# Altium PCB RevA3.PcbDoc (part 3 of 5) (continued)
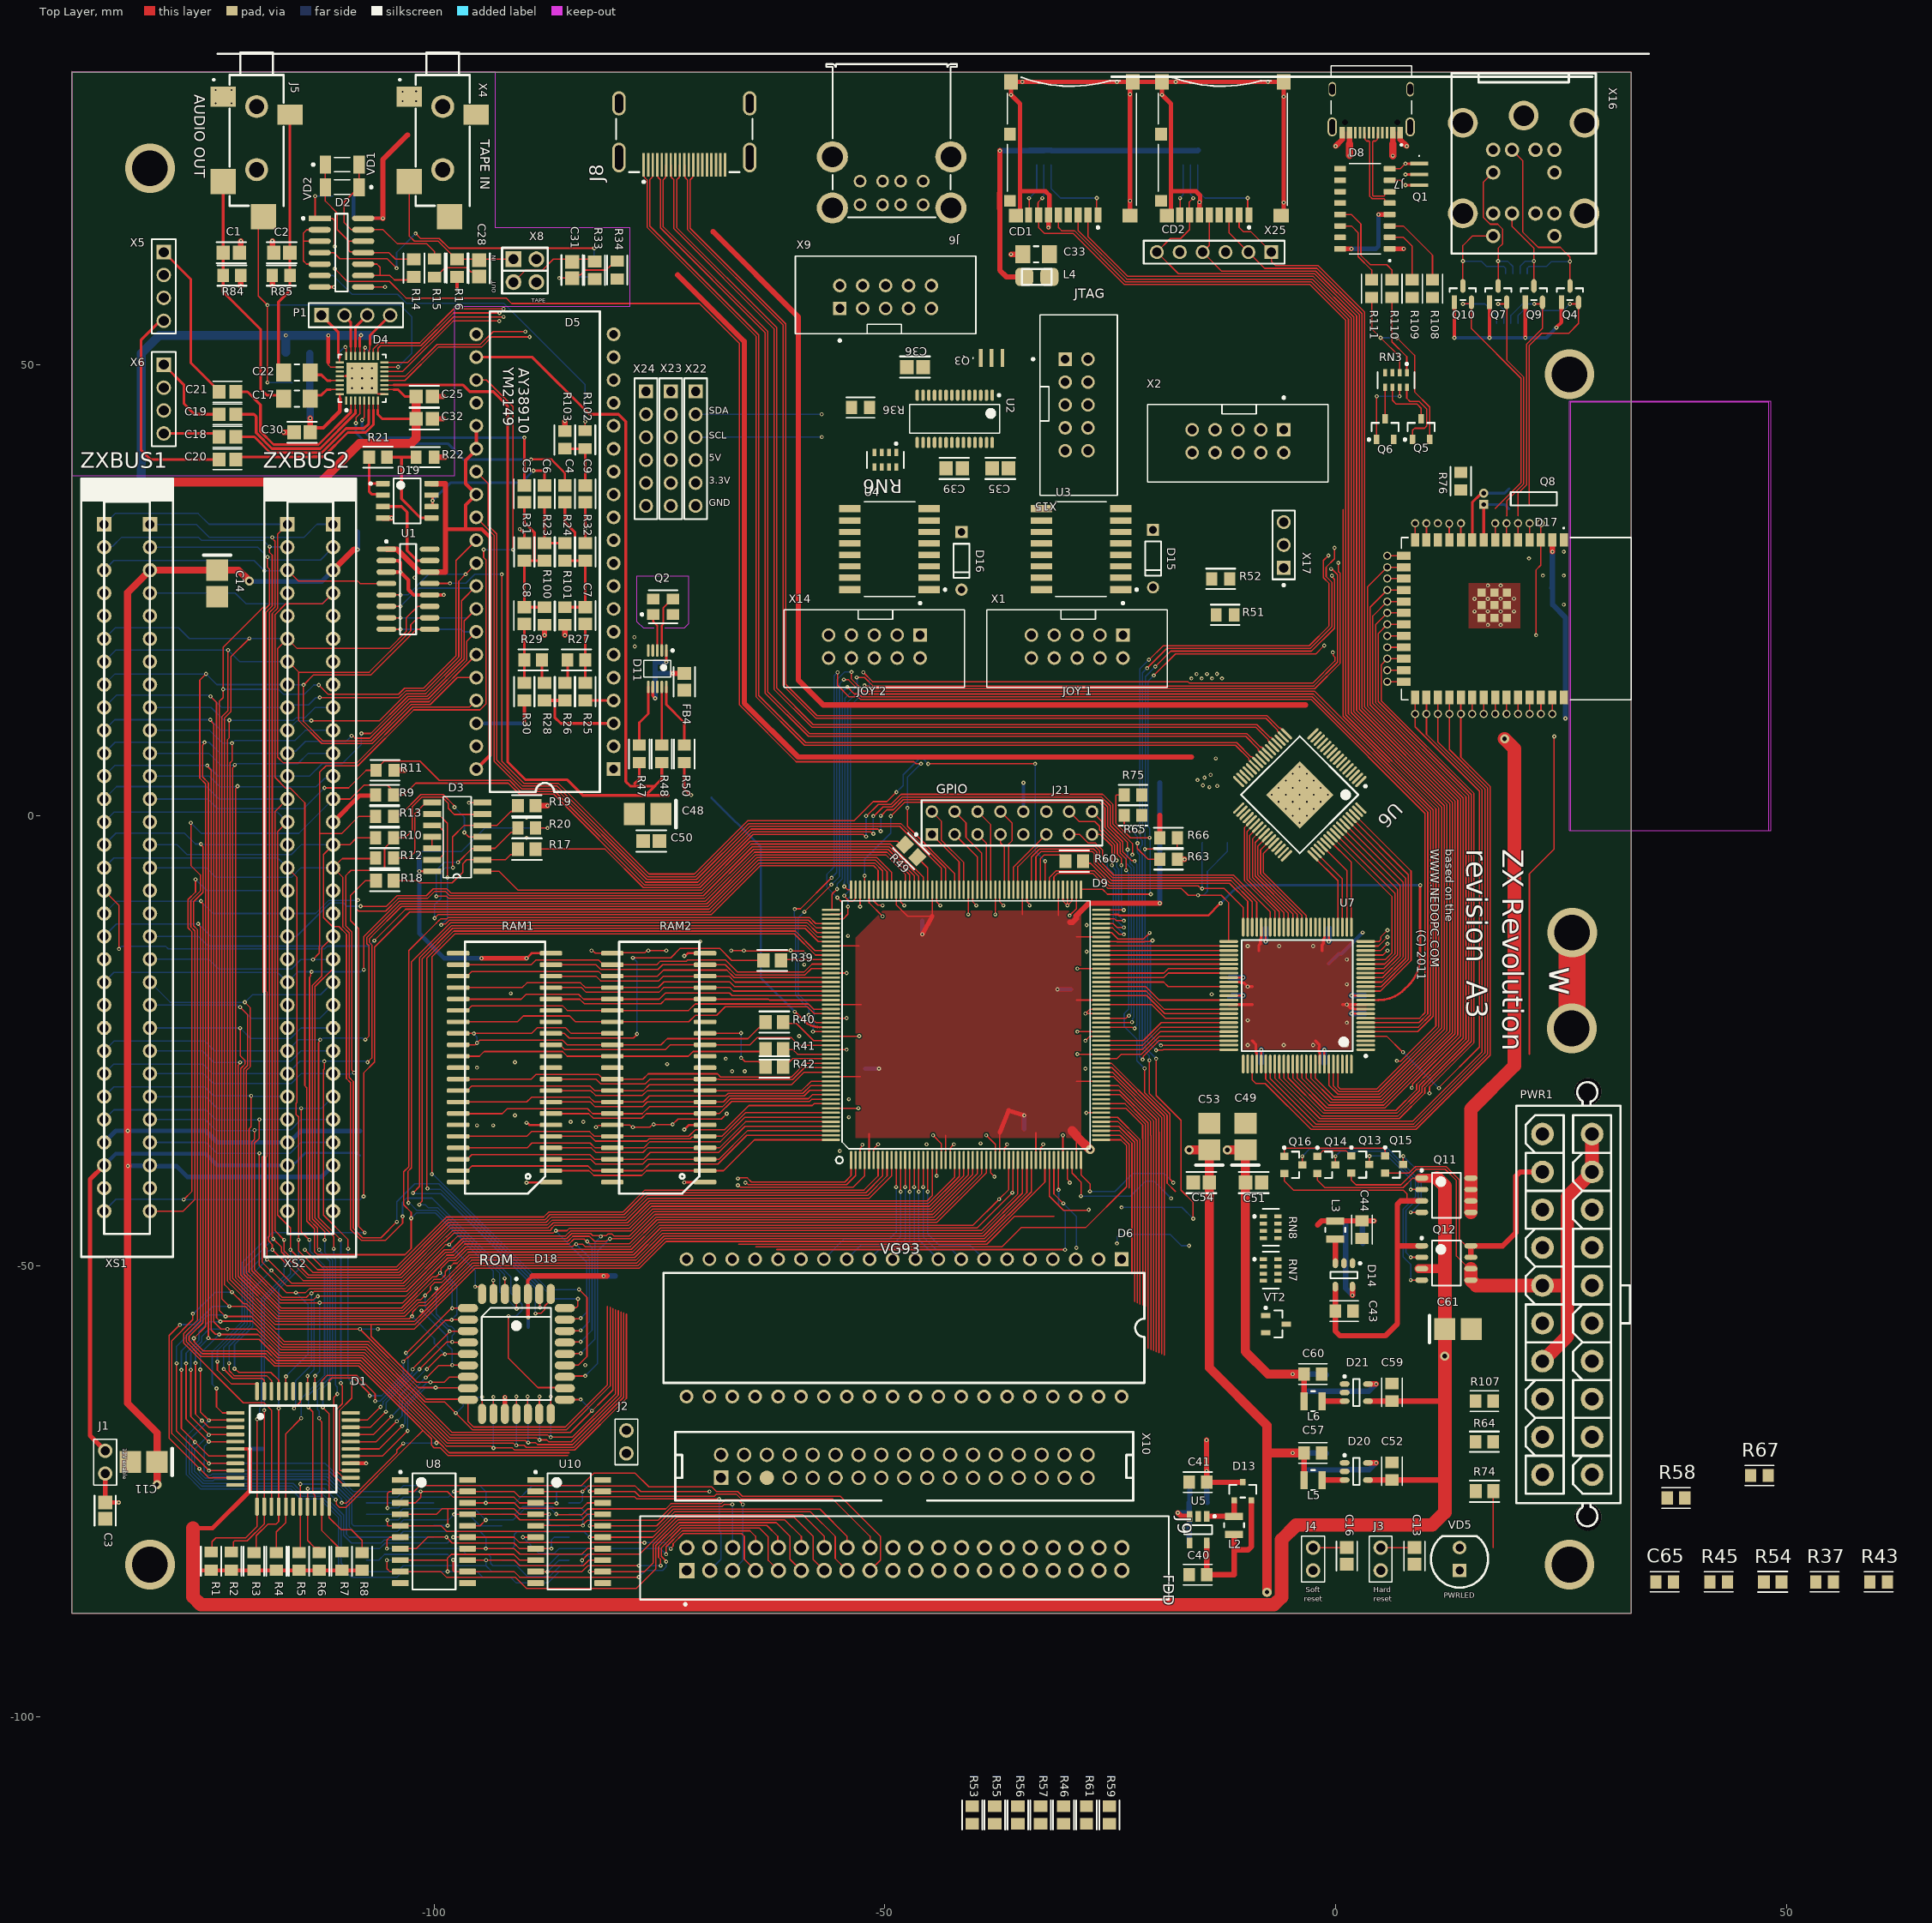
[diagram p0: Top Layer view]
## Nets (pads, with @x,y where several pads share a name; then routed paths per layer and width w, separated by ;. In a path a pad name is that pad's centre, name@x,y a point inside that pad or via, vN(x,y) a via of type N, cw(c..) or ccw(c..) an arc to the next point about the centre after c; other vN are vias at no path point) (continued)
CLKZ_OUT_1: D3.1 R49.2 | length 49.8
  Top Layer w0.15: D3.1@-94.65,-6.2 -92.8,-6.2 -90.687,-8.313 -70.383,-8.313 -64.953,-2.883 -48.597,-2.883 -48.416,-3.064 -48.305,-3.064 R49.2@-48.155,-2.914
CONFDONE_1: D9.2 D17.17 R66.1 | length 121
  Top Layer w0.15: v1(-65.476,-40.752) -65.388,-40.752 -65.163,-40.977 -54.247,-40.977 -53.25,-39.98 D9.2@-53.25,-38.25 ; v1(-21.154,-3.75) -17.839,-3.75 -17.558,-3.469 R66.1@-17.557,-2.5 ; v4(-20,16.5) -18.28,18.22 -2.681,18.22 -0.123,20.779 -0.123,26.19 -0.407,26.475 v1(-0.407,26.596) ; v1(-19.91,-27) -19.91,-31.092 -17.151,-33.851 -17.151,-41.599 -15.802,-42.948 v1(-15.802,-44.75) ; v2(5.737,26.27) D17.17@7.562,26.27
  Bottom Layer w0.15: v1(-23.75,-43.5) -17.052,-43.5 v1(-15.802,-44.75) ; v4(-20,16.5) -21.099,15.401 -21.099,-1.175 -21.154,-1.229 v1(-21.154,-3.75) -21.154,-5.346 -21.151,-5.349 -21.151,-25.759 v1(-19.91,-27)
CSROM_1: D3.5 D9.150 R19.2 | length 72.7
  Top Layer w0.15: v1(-99.952,-11.41) -99.556,-11.013 -69.264,-11.013 -63.834,-5.583 -51.259,-5.583 -50.75,-6.092 D9.150@-50.75,-8.25 ; v1(-97.917,-5.803) -97.95,-5.771 -97.95,-2.387 -96.663,-1.1 -94.67,-1.1 D3.5@-94.65,-1.12 ; D3.5@-94.65,-1.1 -93.021,-1.1 -91.488,0.433 -91.28,0.433 -91.144,0.57 R19.2@-91.144,0.9
  Bottom Layer w0.15: v1(-99.952,-11.41) -99.952,-9.912 -99.237,-9.197 -99.237,-6.292 -98.748,-5.803 v1(-97.917,-5.803)
CTS_TTL: D8.9
D0: D1.9 D5.37 D6.7 D9.18 D18.13 U1.11 U8.3 U9.2 U10.3 U11.2 XS1.B6 XS2.B6 | length 305.1
  Top Layer w0.15: v1(-126.775,-55.304) -126.775,-55.958 -129.101,-58.284 -129.101,-68.59 -124.991,-72.7 D1.9@-122.05,-72.7 ; v1(-120.504,19.637) -122.569,17.572 -122.569,11.501 -123.25,10.82 -123.25,-52.083 v1(-122.43,-52.905) v1(-122.43,-52.905) -121.135,-54.2 -120.817,-54.2 -116.617,-58.4 -107.264,-58.4 -100.884,-64.78 -96.63,-64.78 D18.13@-96.55,-64.86 ; U8.3@-103.75,-76.29 -102.088,-76.29 -101.5,-75.702 v1(-101.5,-75.02) -98.536,-75.02 -97.888,-75.668 -91.138,-75.668 -90.517,-76.29 U10.3@-88.75,-76.29 -88.709,-76.331 v1(-86.425,-76.331) ; U1.11@-100.5,23.19 -101.825,23.19 -103.09,21.925 -103.09,20.411 -104.986,18.515 -115.215,18.515 XS2.B6@-116.29,19.59 -117.365,18.515 -117.365,6.445 -116.735,5.815 -108.582,5.815 -102.389,12.008 -96.072,12.008 D5.37@-95.335,12.745 ; D18.13@-96.255,-64.84 -96.255,-67.245 -95.628,-67.872 -85.459,-67.872 -80.774,-63.186 -80.774,-54.472 ; v1(-45.251,-41.75) D9.18@-45.25,-38.25
  Bottom Layer w0.15: XS1.B6@-136.985,19.215 XS1.B6@-136.61,19.59 -135.374,20.826 -128.363,20.826 -127.173,19.637 v1(-120.504,19.637) -120.481,19.614 XS2.B6@-116.263,19.614 ; v1(-126.775,-55.304) -126.696,-55.304 -124.297,-52.905 v1(-122.43,-52.905) ; v1(-124.991,-72.708) -111.716,-72.708 -108.775,-75.649 -104.079,-75.649 -103.45,-75.02 v1(-101.5,-75.02) U9.2@-100.05,-75.02 ; v1(-86.425,-76.331) -86.425,-75.108 -86.337,-75.02 U11.2@-85.05,-75.02 ; v1(-45.251,-41.75) -45.251,-46.423 -43.998,-47.676 -40.564,-47.676 D6.7@-38.99,-49.25
D1: D1.10 D5.36 D6.8 D9.17 D18.14 U1.10 U8.4 U9.5 U10.4 U11.5 XS1.B7 XS2.B7 | length 305.8
  Top Layer w0.15: v1(-128.218,-56.535) -129.401,-57.718 -129.401,-69.104 -126.051,-72.453 v1(-126.051,-72.505) ; v1@-126,-72.505 -125.005,-73.5 D1.10@-122.05,-73.5 ; v1(-122.869,18.342) -122.869,11.626 -123.55,10.945 -123.55,-53.651 -122.702,-54.5 -120.941,-54.5 -116.741,-58.7 -107.388,-58.7 -101.008,-65.08 -98.836,-65.08 v1(-97.596,-66.32) -97.596,-66.328 -95.752,-68.172 -85.335,-68.172 -80.474,-63.311 -80.474,-54.596 ; XS2.B7@-116.29,17.05 -116.19,17.05 -115.025,15.885 ; U8.4@-103.75,-77.56 -99.753,-77.56 -99.112,-76.919 -91.157,-76.919 -90.517,-77.56 U10.4@-88.75,-77.56 -88.743,-77.553 v1(-87.25,-77.553) ; U1.10@-100.5,21.92 -101.825,21.92 -102.596,21.149 -102.596,20.491 -102.79,20.297 -102.79,20.287 -104.862,18.215 -104.872,18.215 -107.202,15.885 -115.025,15.885 ; v1(-98.5,-78.813) -98.5,-76.919 ; D5.36@-95.335,15.285 -97.451,15.285 -100.428,12.308 -102.543,12.308 -106.886,7.966 -112.466,7.966 -115.025,10.525 -115.025,15.885 ; D18.14@-94.69,-66.842 -94.686,-66.838 -94.686,-64.557 v1(-94.683,-64.553) ; v1(-45.75,-41.25) D9.17@-45.75,-38.25
  Bottom Layer w0.15: XS1.B7@-136.985,16.675 XS1.B7@-136.61,17.05 -135.318,18.342 v1(-122.869,18.342) -121.577,17.05 -116.4,17.05 XS2.B7@-116.35,17 ; v1(-128.218,-56.535) -128.19,-56.507 -126.595,-56.507 -124.56,-54.472 v1(-122.729,-54.472) ; v1(-126.051,-72.505) -126.024,-72.532 -126.024,-72.92 -125.41,-73.533 -124.65,-73.533 -124.491,-73.375 -111.898,-73.375 -109.426,-75.847 -109.426,-78.961 -108.924,-79.463 -104.082,-79.463 -103.45,-78.83 U9.5@-100.05,-78.83 -100.033,-78.813 v1(-98.5,-78.813) ; v1(-97.596,-66.32) -97.562,-66.32 -96.755,-65.512 -96.755,-65.358 -95.95,-64.553 v1(-94.683,-64.553) ; v1(-87.25,-77.553) -87.25,-78.636 -87.056,-78.83 U11.5@-85.05,-78.83 ; v1(-45.75,-41.25) -45.75,-46.75 -44.287,-48.213 -42.567,-48.213 D6.8@-41.53,-49.25
D2: D1.7 D5.35 D6.9 D9.16 D18.15 U1.9 U8.7 U9.6 U10.7 U11.6 XS1.B8 XS2.B8 | length 303.3
  Top Layer w0.15: v1(-128.05,-61.532) -128.05,-68.037 -126.542,-69.545 v1(-126.537,-69.545) ; v1@-126.54,-69.547 -124.988,-71.1 D1.7@-122.05,-71.1 ; v1(-125.314,15.691) -126,15.005 -126,4.139 -125.35,3.489 -125.35,-56.721 v1(-126.658,-58.029) -126.618,-58.069 -126.618,-58.432 -126.092,-58.958 -125.612,-59.438 -118.548,-59.438 -117.487,-60.5 -108.134,-60.5 -98.661,-69.972 -93.733,-69.972 -93.508,-70.197 -91.326,-70.197 -91.098,-70.425 -84.406,-70.425 -78.674,-64.693 -78.674,-55.341 ; U8.7@-103.75,-81.37 -101.994,-81.37 -100.716,-80.092 v1(-98.639,-80.092) ; U1.9@-100.5,20.65 -101.947,20.65 -107.011,15.585 -113.393,15.585 -114.431,14.547 -114.568,14.547 v1(-114.5,14.478) -114.5,10.424 -112.342,8.266 -107.01,8.266 -102.668,12.608 -100.552,12.608 D5.35@-95.335,17.825 ; v1@-98.629,-80.102 -98.002,-80.729 -91.157,-80.729 -90.517,-81.37 U10.7@-88.75,-81.37 v1(-87,-81.37) ; v1(-93.43,-64.553) -93.425,-64.558 -93.425,-66.777 D18.15@-93.42,-66.782 ; v1(-46.25,-41.75) D9.16@-46.25,-38.25
  Bottom Layer w0.15: XS1.B8@-136.985,14.135 -135.429,15.691 v1(-125.314,15.691) -124.133,14.51 -116.36,14.51 XS2.B8@-116.35,14.5 ; v1(-128.05,-61.532) -128.05,-59.421 v1(-126.658,-58.029) ; v1(-126.537,-69.545) -126.537,-69.592 -126.885,-69.939 -126.885,-72.907 -125.653,-74.139 -115.653,-74.139 -114.542,-75.25 -112.437,-75.25 -110.033,-77.654 -110.033,-79.892 -109.194,-80.73 -105.884,-80.73 -105.579,-80.425 -103.365,-80.425 -103.04,-80.1 U9.6@-100.05,-80.1 -100.042,-80.092 v1(-98.639,-80.092) ; XS2.B8@-116.29,14.51 -116.274,14.494 -114.516,14.494 v1(-114.5,14.478) ; v1(-93.43,-64.553) -93.43,-70.187 v1(-93.42,-70.197) ; v1(-87,-81.37) -87,-80.411 -86.689,-80.1 U11.6@-85.05,-80.1 ; v1(-46.25,-41.75) -46.25,-47.07 D6.9@-44.07,-49.25 D6.9@-44,-49.25
D3: D1.3 D5.34 D6.10 D9.15 D18.17 U1.8 U8.8 U9.9 U10.8 U11.9 XS1.B11 XS2.B11 | length 297.2
  Top Layer w0.15: v1(-126.475,-60.774) -126.475,-66.437 -125.012,-67.9 D1.3@-122.05,-67.9 ; v1(-125.475,8.103) -125.475,8.015 -125.7,7.79 -125.7,4.263 -125.05,3.613 v1(-125.05,-58) -124.928,-58 -124.786,-58.142 -119.42,-58.142 -117.362,-60.2 -108.009,-60.2 -98.537,-69.672 -91.196,-69.672 -91.038,-69.83 v1@-90.725,-69.83 ; v1(-109.173,8.828) -109.051,8.828 -108.788,8.566 -107.134,8.566 -102.792,12.908 -100.676,12.908 -96.372,17.213 -96.372,19.328 D5.34@-95.335,20.365 ; U1.8@-105.3,20.65 v1(-103.75,20.65) ; U8.8@-103.75,-82.64 -98.517,-82.64 ; v1(-98.517,-83.913) -98.517,-82.64 ; v1(-90.883,-69.897) -90.006,-69.897 -89.778,-70.125 -84.53,-70.125 -78.974,-64.568 -78.974,-55.217 ; D18.17@-90.88,-66.782 v1(-90.88,-64.5) ; U10.8@-88.75,-82.64 -90.517,-82.64 -91.157,-81.999 -98.113,-81.999 -98.517,-82.403 -98.517,-82.64 ; v1(-46.75,-41.25) D9.15@-46.75,-38.25
  Bottom Layer w0.15: XS1.B11@-136.985,6.515 XS1.B11@-136.61,6.89 -135.398,8.103 v1(-125.475,8.103) -124.967,8.103 -123.755,6.89 -116.36,6.89 XS2.B11@-116.35,6.9 ; v1(-126.475,-60.774) -126.475,-59.473 -125.05,-58.048 v1(-125.05,-58) ; v1(-125.758,-67.153) -127.485,-68.879 -127.485,-73.155 -125.902,-74.739 -115.902,-74.739 -114.791,-75.85 -112.686,-75.85 -110.633,-77.903 -110.633,-83.074 -109.158,-84.549 -104.127,-84.549 -103.489,-83.91 U9.9@-100.05,-83.91 -100.047,-83.913 v1(-98.517,-83.913) -95.241,-83.913 -94.629,-84.525 -91.545,-84.525 -90.89,-85.18 -87.404,-85.18 -86.167,-83.943 -85.083,-83.943 U11.9@-85.05,-83.91 ; XS2.B11@-116.29,6.89 -116.062,7.118 -115.368,7.118 -114.265,8.221 -109.78,8.221 v1(-109.173,8.828) ; v1(-103.75,20.65) -97,20.65 -96.715,20.365 D5.34@-95.335,20.365 ; v1(-90.883,-69.897) -90.88,-69.894 v1(-90.88,-64.5) ; v1(-46.75,-41.25) -46.75,-49 D6.10@-46.5,-49.25
D4: D1.2 D5.33 D6.11 D9.14 D18.18 U1.7 U8.13 U9.12 U10.13 U11.12 XS1.B12 XS2.B12 | length 287.8
  Top Layer w0.15: v1(-125.95,-61.5) -125.95,-66.178 -125.028,-67.1 D1.2@-122.05,-67.1 ; v1(-125.175,5.54) -125.175,5.442 -124.75,5.017 -124.75,-57.106 -124.274,-57.582 -123.868,-57.582 v1(-123.85,-57.6) -119.538,-57.6 -117.238,-59.9 -107.885,-59.9 -98.413,-69.372 -89.876,-69.372 -89.651,-69.597 -88.757,-69.597 -88.529,-69.825 -84.655,-69.825 -79.274,-64.444 -79.274,-55.093 ; v1(-108.08,9.091) -107.033,9.091 -102.916,13.208 -100.8,13.208 -96.672,17.337 -96.672,21.568 D5.33@-95.335,22.905 ; U1.7@-105.3,21.92 v1(-103.75,21.92) ; U8.13@-96.3,-82.64 v1(-94.251,-82.64) -91.119,-82.64 -90.509,-83.25 -83.442,-83.25 -82.832,-82.64 U10.13@-81.3,-82.64 ; v1(-89.64,-64.5) -89.625,-64.515 -89.625,-66.767 D18.18@-89.61,-66.782 ; v1(-47.25,-41.75) D9.14@-47.25,-38.25
  Bottom Layer w0.15: XS1.B12@-136.985,3.975 -135.42,5.54 v1(-125.175,5.54) ; v1(-125.95,-61.5) -125.95,-59.713 -123.85,-57.613 v1(-123.85,-57.6) ; v1@-125.247,5.54 v1(-125.175,5.54) ; v1(-124.989,-67.125) -127.185,-69.322 -127.185,-73.031 -125.778,-74.439 -115.778,-74.439 -114.666,-75.55 -112.561,-75.55 -110.333,-77.779 -110.333,-82.95 -109.373,-83.91 U9.12@-107.5,-83.91 -104.079,-83.91 -103.438,-83.269 -94.251,-83.269 ; XS2.B12@-116.35,4.3 -116.4,4.35 -123.985,4.35 v1(-125.175,5.54) ; XS2.B12@-116.29,4.35 -113.825,4.35 -112.431,5.744 -110.218,5.744 -108.08,7.882 v1(-108.08,9.091) ; v1(-103.75,21.92) -96.32,21.92 D5.33@-95.335,22.905 ; v1(-94.251,-82.64) -94.251,-83.269 ; U11.12@-92.5,-83.91 -93.61,-83.91 -94.251,-83.269 ; v1(-89.64,-64.5) -89.602,-64.539 -89.602,-69.559 v1(-89.563,-69.597) ; D6.11@-49,-49.25 -49,-49.1 -47.25,-47.35 v1(-47.25,-41.75)
D5: D1.4 D5.32 D6.12 D9.13 D18.19 U1.6 U8.14 U9.15 U10.14 U11.15 XS1.B10 XS2.B10 | length 293.5
  Top Layer w0.15: v1(-127,-61.525) -127,-66.698 -124.998,-68.7 D1.4@-122.05,-68.7 ; v1(-124.836,10.608) -124.836,10.531 -124.45,10.145 -124.45,-56.195 -123.646,-57 v1(-122.933,-57) -119.714,-57 -117.114,-59.6 -107.761,-59.6 -98.289,-69.072 -88.627,-69.072 -88.402,-69.297 -87.515,-69.297 -87.287,-69.525 -84.779,-69.525 -79.574,-64.32 -79.574,-54.969 ; v1(-113.625,10.505) -106.043,10.505 -103.04,13.508 -100.925,13.508 -96.972,17.461 -96.972,23.808 D5.32@-95.335,25.445 ; U1.6@-105.3,23.19 v1(-103.75,23.19) ; U8.14@-96.3,-81.37 v1(-94.267,-81.37) -91.119,-81.37 -90.505,-81.984 -83.614,-81.984 -83,-81.37 U10.14@-81.3,-81.37 ; D18.19@-88.342,-66.774 -88.327,-66.759 -88.327,-64.513 v1(-88.315,-64.5) ; v1(-47.75,-41.25) D9.13@-47.75,-38.25
  Bottom Layer w0.15: XS1.B10@-136.985,9.055 -135.432,10.608 v1(-124.836,10.608) -123.658,9.43 XS2.B10@-116.29,9.43 -115.215,10.505 v1(-113.625,10.505) ; v1(-127,-61.525) -127,-59.574 -125.8,-58.374 -125.8,-57.829 -124.97,-57 v1(-122.933,-57) ; v1(-125,-68.75) -126.58,-70.33 -126.58,-72.242 -126.585,-72.247 -126.585,-72.682 -126.58,-72.686 -126.58,-72.787 -125.534,-73.833 -124.525,-73.833 -124.367,-73.675 -112.022,-73.675 -109.733,-75.964 -109.733,-79.767 -109.4,-80.1 U9.15@-107.5,-80.1 -104.079,-80.1 -103.438,-79.459 -94.907,-79.459 -94.267,-80.1 ; v1(-103.75,23.19) -101.729,25.211 -95.569,25.211 D5.32@-95.335,25.445 ; v1(-94.267,-81.37) -94.267,-80.1 ; U11.15@-92.5,-80.1 -94.267,-80.1 ; v1(-88.315,-69.297) v1(-88.315,-64.5) ; D6.12@-51.69,-49.25 -50.653,-48.213 -48.922,-48.213 -47.75,-47.041 v1(-47.75,-41.25)
D6: D1.5 D5.31 D6.13 D9.12 D18.20 U1.5 U8.17 U9.16 U10.17 U11.16 XS1.B9 XS2.B9 | length 295.8
  Top Layer w0.15: v1(-127.525,-60.819) -127.525,-67.001 -125.026,-69.5 D1.5@-122.05,-69.5 ; v1(-124.804,13.203) -124.15,12.549 -124.15,-55.753 v1(-123.722,-56.181) -123.666,-56.125 -120.164,-56.125 -116.989,-59.3 -107.637,-59.3 -98.164,-68.772 -87.383,-68.772 -87.155,-69 -84.678,-69 -79.874,-64.196 -79.874,-54.844 ; v1(-112.701,13.076) -103.896,13.076 -103.165,13.808 -101.049,13.808 -97.272,17.585 -97.272,25.978 v1(-96.5,26.75) -95.335,27.915 D5.31@-95.335,27.985 ; U1.5@-105.3,24.46 v1(-103.75,24.46) ; v1(-97.793,-77.56) U8.17@-96.3,-77.56 -91.119,-77.56 -90.505,-78.174 -83.614,-78.174 -83,-77.56 U10.17@-81.3,-77.56 ; v1(-87.072,-64.5) v1(-87.072,-64.5) D18.20@-87.071,-66.845 ; v1(-48.25,-41.75) D9.12@-48.25,-38.25
  Bottom Layer w0.15: XS1.B9@-136.985,11.595 XS1.B9@-136.61,11.97 -135.218,13.363 -125.085,13.363 -124.926,13.203 v1(-124.804,13.203) -123.571,11.97 -116.38,11.97 XS2.B9@-116.35,12 ; v1(-127.525,-60.819) -127.525,-59.675 -126.1,-58.25 -126.1,-57.25 -125.031,-56.181 v1(-123.722,-56.181) ; v1(-125,-69.5) -125.506,-70.006 -125.506,-71.684 -125.526,-71.703 -125.526,-72.916 -125.209,-73.233 -124.774,-73.233 -124.615,-73.075 -111.774,-73.075 -109.126,-75.722 -109.126,-78.624 -108.92,-78.83 U9.16@-107.5,-78.83 -104.079,-78.83 -103.438,-78.189 -98.422,-78.189 v1(-97.793,-77.56) -96.177,-77.56 -94.907,-78.83 U11.16@-92.5,-78.83 ; XS2.B9@-116.29,11.97 -116.012,12.248 -113.936,12.248 -113.125,13.058 -112.719,13.058 v1(-112.701,13.076) ; v1(-103.75,24.46) -102.904,24.46 -100.614,26.75 v1(-96.5,26.75) ; D5.31@-95.335,27.883 D5.31@-95.335,27.985 ; v1(-87.072,-64.5) v1(-87.072,-64.5) -87.071,-68.999 v1(-87.07,-69) ; D6.13@-54.23,-49.25 -52.611,-47.631 -49.131,-47.631 -48.25,-46.75 v1(-48.25,-41.75)
D7: D1.8 D5.30 D6.14 D9.11 D18.21 U1.4 U8.18 U9.19 U10.18 U11.19 XS1.B3 XS2.B3 | length 316.2
  Top Layer w0.15: v1(-128.575,-60.798) -128.575,-68.328 -125.003,-71.9 D1.8@-122.05,-71.9 ; v1(-123.411,13.985) -123.405,13.979 -123.405,13.073 -123.85,12.628 -123.85,-54.9 v1(-123.15,-55.6) -120.265,-55.6 -116.865,-59 -107.512,-59 -98.04,-68.472 -84.881,-68.472 -82.503,-66.094 v1(-82.503,-66.083) ; v1@-123.405,14.019 -123.411,14.025 -123.411,18.339 -123.394,18.356 -123.394,18.668 -118.84,23.222 v1(-118.84,27.142) ; XS2.B3@-116.29,27.21 -115.093,26.013 -108.506,26.013 -108.223,25.73 U1.4@-105.3,25.73 ; v1(-112.802,14.467) -112.161,13.826 -111.771,13.435 -103.962,13.435 -103.289,14.108 -101.173,14.108 -97.572,17.71 -97.572,28.288 D5.30@-95.335,30.525 ; U8.18@-96.3,-76.29 v1(-94.267,-76.29) -91.119,-76.29 -90.505,-76.904 -83.614,-76.904 -83,-76.29 U10.18@-81.3,-76.29 ; D18.21@-85.15,-64.795 -85.12,-64.825 -83.765,-64.825 v1(-83.75,-64.809) ; v1@-82.472,-66.063 -81.318,-64.909 -80.174,-63.765 -80.174,-54.72 ; v1(-48.75,-41.25) D9.11@-48.75,-38.25
  Bottom Layer w0.15: XS1.B3@-136.787,27.033 -135.535,28.285 -119.983,28.285 v1(-118.84,27.142) -118.834,27.137 -118.183,27.137 -118.177,27.142 -116.358,27.142 XS2.B3@-116.29,27.21 ; v1(-128.575,-60.798) -128.575,-58.912 -125.088,-55.425 -123.447,-55.425 -123.272,-55.6 v1(-123.15,-55.6) ; v1(-124.991,-71.911) -112.089,-71.911 -108.98,-75.02 U9.19@-107.5,-75.02 -104.079,-75.02 -103.438,-74.379 -94.907,-74.379 -94.267,-75.02 ; v1(-123.411,13.985) -117.285,13.985 -116.735,13.435 -114.386,13.435 -113.354,14.467 v1(-112.802,14.467) ; D5.30@-95.335,30.165 D5.30@-95.335,30.525 ; v1(-94.267,-76.29) -94.267,-75.02 ; U11.19@-92.5,-75.02 -94.267,-75.02 ; v1(-83.75,-64.809) -83.75,-64.822 -82.503,-66.069 v1(-82.503,-66.083) ; D6.14@-56.77,-49.25 -56.75,-49.25 -54.5,-47 -49.5,-47 -48.75,-46.25 v1(-48.75,-41.25)
D\I\R\_5: D12.4 X10.18
D\O\S\_1: D9.160 D18.3 XS1.A4 XS2.A4 | length 209.2
  Top Layer w0.15: XS2.A4@-111.25,24.6 -111.28,24.6 -112.405,23.475 -116.466,23.475 -117.665,22.276 -117.665,4.205 -116.501,3.041 -116,3.041 -114.35,1.391 -114.35,-30.003 -114.125,-30.228 -114.125,-45.022 -113.275,-45.872 -113.275,-48.417 -112.942,-48.75 -103.239,-48.75 -102.55,-48.061 v1(-102.55,-44.7) -102.55,-44.042 -103.375,-43.217 -103.375,-39.539 -102.825,-38.989 -102.825,-15.015 -99.745,-11.935 -99.735,-11.935 -99.427,-11.627 -99.427,-11.617 -99.31,-11.5 -98.611,-11.5 -98.437,-11.326 -58.36,-11.326 -57.685,-12 D9.160@-56,-12 ; v1(-93.443,-51.599) -93.431,-51.611 -93.431,-52.8 D18.3@-93.39,-52.842
  Bottom Layer w0.15: XS1.A4@-131.53,24.67 -122.071,24.67 -120.868,23.467 -112.413,23.467 XS2.A4@-111.21,24.67 ; v1(-102.55,-44.7) -101.975,-44.125 -99.868,-44.125 -93.443,-50.55 v1(-93.443,-51.599)
D\S\0\_5: D7.4 X10.10
D\S\1\_5: D7.6 X10.12
D\S\2\_5: D7.8 X10.14
D\S\3\_5: D7.2 X10.6
DAC_B0: U6.44 U7.36 | length 11.8
  Top Layer w0.15: U6.44@-6.861,-3.074 -8.023,-4.236 -8.023,-6.363 -3.25,-11.137 U7.36@-3.25,-12.4
DAC_B1: U6.43 U7.37 | length 12
  Top Layer w0.15: U6.43@-7.214,-2.72 -8.323,-3.829 -8.323,-6.488 -3.75,-11.061 U7.37@-3.75,-12.4
DAC_B2: U6.42 U7.38 | length 12.3
  Top Layer w0.15: U6.42@-7.568,-2.366 -8.623,-3.422 -8.623,-6.612 -4.25,-10.985 U7.38@-4.25,-12.4
DAC_B3: U6.41 U7.39 | length 12.5
  Top Layer w0.15: U6.41@-7.922,-2.013 -8.923,-3.014 -8.923,-6.736 -4.75,-10.909 U7.39@-4.75,-12.4
DAC_B4: U6.40 U7.40 | length 12.8
  Top Layer w0.15: U6.40@-8.275,-1.659 -9.223,-2.607 -9.223,-6.86 -5.25,-10.834 U7.40@-5.25,-12.4
DAC_B5: U6.39 U7.41 | length 13
  Top Layer w0.15: U6.39@-8.629,-1.306 -9.523,-2.2 -9.523,-6.985 -5.75,-10.758 U7.41@-5.75,-12.4
DAC_B6: U6.38 U7.42 | length 13.3
  Top Layer w0.15: U6.38@-8.982,-0.952 -9.823,-1.793 -9.823,-7.109 -6.25,-10.682 U7.42@-6.25,-12.4
DAC_B7: U6.37 U7.43 | length 13.5
  Top Layer w0.15: U6.37@-9.336,-0.599 -10.123,-1.386 -10.123,-7.233 -6.75,-10.606 U7.43@-6.75,-12.4
DAC_CLK_1: D9.103 U6.53 U7.12 | length 53.4
  Top Layer w0.15: D9.103@-26,-11 -24.482,-11
  Top Layer w0.2: U7.12@3.35,-20.5 4.75,-20.5
  Top Layer w0.25: -24.481,-10.999 -24.15,-10.999 -24.043,-11.106 -14.131,-11.106 -12.827,-9.802 cw(c-12.65,-9.979) v1(-12.75,-9.75) ; 4.75,-20.5 ccw(c4.775,-16.458) 7.621,-19.328 8.111,-18.838 ccw(c5.039,-15.791) 9.366,-15.786 9.366,-7.75 v1@9.366,-7.737
  Bottom Layer w0.25: v1(-12.75,-9.75) -11.494,-8.494 cw(c-9.698,-10.29) -9.698,-7.75 v1(9.396,-7.75)
DAC_G0: U6.54 U7.26 | length 10.7
  Top Layer w0.15: U6.54@-0.744,-2.72 1.75,-5.214 U7.26@1.75,-12.4
DAC_G1: U6.52 U7.27 | length 10.1
  Top Layer w0.15: U6.52@-1.452,-3.427 1.25,-6.129 U7.27@1.25,-12.4
DAC_G2: U6.50 U7.28 | length 9.5
  Top Layer w0.15: U6.50@-2.159,-4.134 0.75,-7.043 U7.28@0.75,-12.4
DAC_G3: U6.49 U7.29 | length 9.1
  Top Layer w0.15: U6.49@-2.512,-4.488 0.25,-7.25 U7.29@0.25,-12.4
DAC_G4: U6.48 U7.30
DAC_G5: U6.47 U7.33
DAC_G6: U6.46 U7.34
DAC_G7: U6.45 U7.35
DAC_R0: U6.62 U7.14 | length 25.3
  Top Layer w0.15: U6.62@2.084,0.108 8.375,-6.183 8.375,-16.107 4.982,-19.5 U7.14@3.35,-19.5
DAC_R1: U6.61 U7.15 | length 24.3
  Top Layer w0.15: U6.61@1.73,-0.245 8.075,-6.59 8.075,-15.983 5.058,-19 U7.15@3.35,-19
DAC_R2: U6.60 U7.16 | length 23.4
  Top Layer w0.15: U6.60@1.377,-0.599 7.775,-6.997 7.775,-15.858 5.133,-18.5 U7.16@3.35,-18.5
DAC_R3: U6.59 U7.17 | length 22.5
  Top Layer w0.15: U6.59@1.023,-0.952 7.475,-7.404 7.475,-15.734 5.209,-18 U7.17@3.35,-18
DAC_R4: U6.58 U7.18 | length 21.6
  Top Layer w0.15: U6.58@0.67,-1.306 7.175,-7.811 7.175,-15.61 5.285,-17.5 U7.18@3.35,-17.5
DAC_R5: U6.57 U7.19 | length 20.7
  Top Layer w0.15: U6.57@0.316,-1.659 6.875,-8.218 6.875,-15.486 5.361,-17 U7.19@3.35,-17
DAC_R6: U6.56 U7.20 | length 19.8
  Top Layer w0.15: U6.56@-0.037,-2.013 6.575,-8.625 6.575,-15.361 5.436,-16.5 U7.20@3.35,-16.5
DAC_R7: U6.55 U7.21 | length 18.9
  Top Layer w0.15: U6.55@-0.391,-2.366 6.275,-9.032 6.275,-15.237 5.512,-16 U7.21@3.35,-16
DACDAT_1: D4.14 D17.34 | length 16.9
  Top Layer w0.15: D4.14@-105.525,49.25 -103.5,49.25 -97.898,54.852 v1(-92.779,54.852) ; v2(17.702,11.25) D17.34@17.702,13.075
  other v1: -13.86,4.499
  other v4: -14.853,15.19
DACLRC_1: D4.13 D17.33 U6.10 | length 19.5
  Top Layer w0.15: D4.13@-105.525,48.75 -103.178,48.75 -99.678,52.25 -94.885,52.25 -93.455,53.681 v1(-89.883,53.681) ; v2(16.432,11.25) D17.33@16.432,13.075
  other v1: -14.542,4.181
  other v4: -15.425,15.675
DATA0_1: D9.156 D17.11 | length 92.1
  Top Layer w0.15: v1(-54.514,-7.896) -54.479,-7.896 -54.125,-8.25 D9.156@-53.75,-8.25 ; v4(-53.122,15.305) -52.26,15.305 -51.32,14.365 -2.427,14.365 0.213,17.005 0.213,26.719 -0.409,27.341 v1(-0.497,27.341) ; D17.11@12.588,30.541 D17.11@12.622,30.575 ; D17.11@12.605,30.558 v2(12.605,32.383)
  Bottom Layer w0.15: v1(-54.514,-7.896) -54.514,-7.376 -54.433,-7.296 -54.433,13 -53.084,14.349 -53.084,15.266 v4(-53.122,15.305)
DCD_TTL: D8.12
DCLK_1: D9.155 D17.10 R76.1 | length 94.2
  Top Layer w0.15: v1(-54.504,-8.913) -54.504,-8.973 -53.952,-9.525 -53.548,-9.525 -53.3,-9.277 -53.3,-8.3 D9.155@-53.25,-8.25 ; v4(-52.26,14.431) -52.194,14.365 -51.745,14.365 -51.445,14.065 -2.303,14.065 0.513,16.881 0.513,26.843 0.304,27.052 v1(0.304,28.025) ; v2(13.892,32.4) D17.10@13.892,30.575 D17.10@13.933,30.534
  Bottom Layer w0.15: v1(-54.504,-8.913) -53.989,-8.398 -53.989,-7.678 -54.133,-7.534 -54.133,12.558 v4(-52.26,14.431)
DE: U6.63
DIR_5: D6.16 D12.3
DSR_TTL: D8.10
DTR: Q6.2 R110.1 RN3.1 | length 9.1
  Top Layer w0.15: R110.1@6.25,57.473 6.25,52.548 7.9,50.898 RN3.1@7.9,49.1
DTR_TTL: D8.13 R110.2 | length 11.4
  Top Layer w0.15: D8.13@0.5,66.67 1.75,66.67 2.809,65.611 2.809,62.134 3.847,61.097 5.672,61.097 6.25,60.519 R110.2@6.25,59.427
ESP32_MASTER.MISO_1: D17.28 R99.2 U7.83 | length 71.6
  Top Layer w0.15: U7.83@-6.75,-27.6 -6.75,-29.155 -1.956,-33.949 8.543,-33.949 16.258,-26.233 16.258,2.809 10.082,8.985 v2(10.082,11.25) D17.28@10.082,13.075
ESP32_MASTER.MOSI_1: D17.30 R105.2 U7.81 | length 73.1
  Top Layer w0.15: U7.81@-7.75,-27.6 -7.75,-29.282 -2.483,-34.549 8.791,-34.549 16.858,-26.482 16.858,3.058 12.622,7.293 v2(12.622,11.25) D17.30@12.622,13.075
ESP32_MASTER.S\S\E\L\_1: D17.31 R104.2 U7.78 | length 74.9
  Top Layer w0.15: U7.78@-9.25,-27.6 -9.25,-29.35 -8.85,-29.75 -7.818,-29.75 -2.719,-34.849 8.915,-34.849 17.158,-26.606 17.158,3.182 13.892,6.447 v2(13.892,11.25) D17.31@13.892,13.075
ESP32_MASTER.SCLK_1: D17.29 R98.2 U7.82 | length 72.4
  Top Layer w0.15: U7.82@-7.25,-27.6 -7.25,-29.21 -2.212,-34.249 8.667,-34.249 16.558,-26.358 16.558,2.933 11.352,8.139 v2(11.352,11.25) D17.29@11.352,13.075
ESP32_RXD: D17.36 R109.1 | length 1.8
  Top Layer w0.15: v2(20.242,11.25) D17.36@20.242,13.075
ESP32_SLAVE.MISO_1: D17.19 U7.86 | length 81.9
  Top Layer w0.15: U7.86@-5.25,-27.6 -5.25,-29.128 -1.329,-33.049 6.812,-33.049 9.292,-30.568 9.292,-29.993 10.463,-28.823 14.458,-24.828 14.458,2.06 4.129,12.388 4.129,22.122 v2(5.737,23.73) D17.19@7.562,23.73
ESP32_SLAVE.MOSI_1: D17.21 U7.84 | length 81.4
  Top Layer w0.15: U7.84@-6.25,-27.6 -6.234,-27.616 -6.234,-29.162 -1.748,-33.649 7.06,-33.649 9.892,-30.817 9.892,-30.242 10.711,-29.423 15.058,-25.076 15.058,2.308 4.729,12.637 4.729,20.182 v2(5.737,21.19) D17.21@7.562,21.19
ESP32_SLAVE.S\S\E\L\_1: D17.18 U7.87 | length 82.2
  Top Layer w0.15: U7.87@-4.75,-27.6 -4.75,-29.156 -1.158,-32.749 6.688,-32.749 8.992,-30.444 8.992,-29.869 10.338,-28.523 14.158,-24.704 14.158,1.936 3.829,12.264 3.829,23.092 v2(5.737,25) D17.18@7.562,25
ESP32_SLAVE.SCLK_1: D17.20 U7.85 | length 81.7
  Top Layer w0.15: U7.85@-5.75,-27.6 -5.75,-29.162 -1.564,-33.349 6.936,-33.349 9.592,-30.692 9.592,-30.118 10.587,-29.123 14.758,-24.952 14.758,2.184 4.429,12.513 4.429,21.152 v2(5.737,22.46) D17.20@7.562,22.46
ESP32_TXD: D17.37 R108.1 | length 1.8
  Top Layer w0.15: v2(21.512,11.25) D17.37@21.512,13.075
ESP_IO45_11: D17.26 X2.6 | length 1.8
  Top Layer w0.15: v2(5.737,14.84) D17.26@7.562,14.84
ESP_IO46_11: D17.16 X2.8 | length 67
  Top Layer w0.15: D17.16@7.562,27.54 v2(5.737,27.54) 3.529,25.332 3.529,12.14 13.858,1.811 13.858,-24.486 8.537,-29.807 8.537,-30.135 v1(8.451,-30.221)
FPGA_CLK_1: D9.183 R50.2 | length 36.1
  Top Layer w0.2: -57.248,-23.5 D9.183@-56,-23.5
  Top Layer w0.25: R50.2@-72.25,5.846 -72.25,2.923 -71.581,2.254 v1(-71.486,2.254) ; v1(-60,-21.8) -59.045,-22.755 ccw(c-57.248,-20.96) -57.248,-23.5
  Bottom Layer w0.25: -69.236,1.954 -63.75,-3.533 -63.75,-18.05 v1(-60,-21.8)
FPGA_SEL0: D9.97 U7.74 | length 25.5
  Top Layer w0.15: D9.97@-26,-14 -24.288,-14 -24.259,-14.028 -21.188,-14.028 -21.159,-14 -20.623,-14 -20.599,-13.975 -20.396,-13.975 v1(-20.31,-13.889) ; v1(-19.385,-25.525) -19.373,-25.512 -11.862,-25.512 U7.74@-11.85,-25.5
  Bottom Layer w0.15: v1(-20.31,-13.889) -20.31,-13.967 -20.545,-14.202 -20.545,-24.365 v1(-19.385,-25.525)
FPGA_SEL1: D9.99 U7.75 | length 27.5
  Top Layer w0.15: D9.99@-26,-13 -24.863,-13 -24.135,-13.728 -21.312,-13.728 v1(-20.626,-13.042) ; v1(-19.915,-26.055) -19.91,-26.05 -19.168,-26.05 -19.118,-26 U7.75@-11.85,-26
  Bottom Layer w0.15: v1(-20.626,-13.042) -20.626,-13.141 -20.845,-13.361 -20.845,-25.125 v1(-19.915,-26.055)